# Altium PCB SSR IO INTERFACE.PcbDoc
Units mil, origin at the board's own origin, x right, y up, seen from the top; angles counter-clockwise.
Board outline 3421 x 1967 mil, 2 copper layers (Top Layer, Bottom Layer); 70 components, 84 nets, 236 pads, 33 vias.
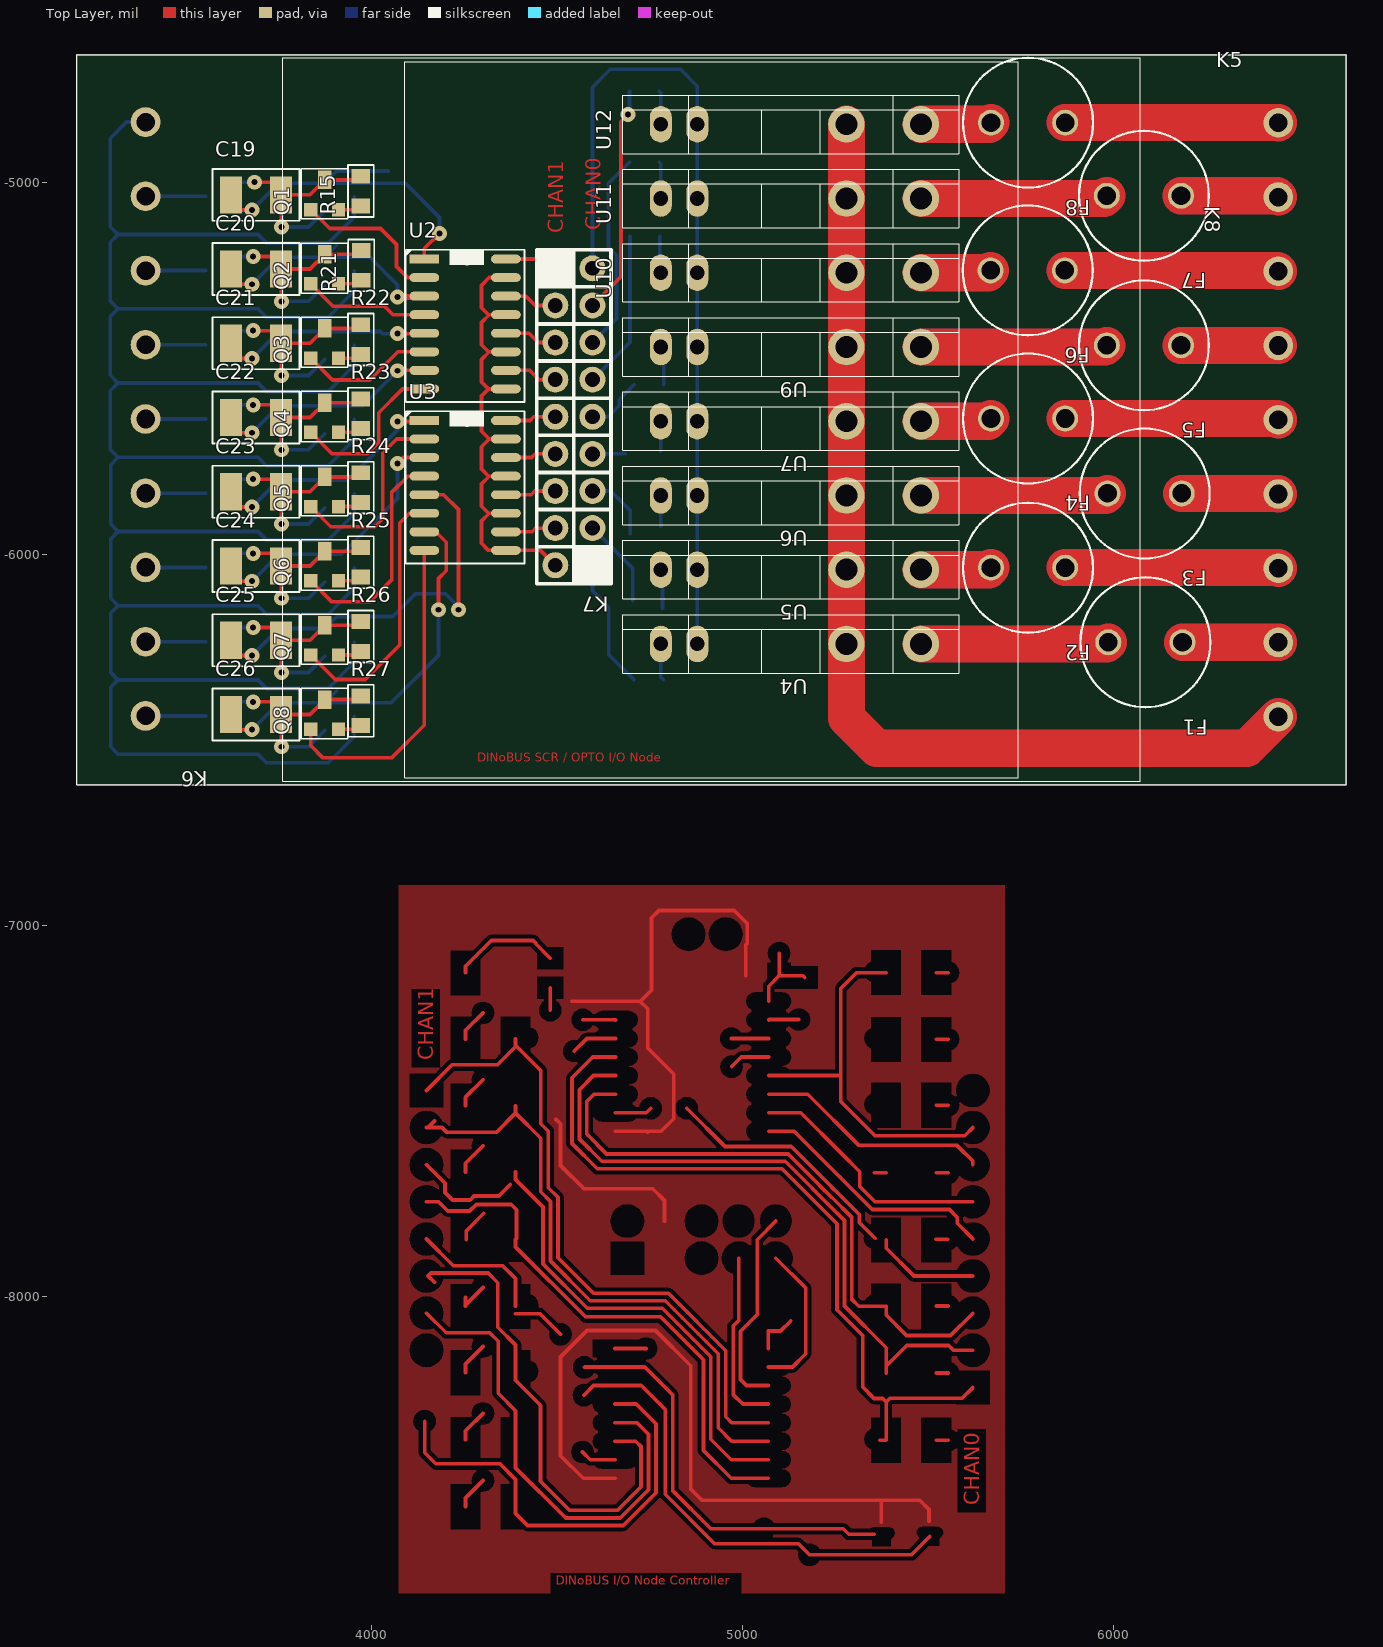
[diagram p0: Top Layer view]
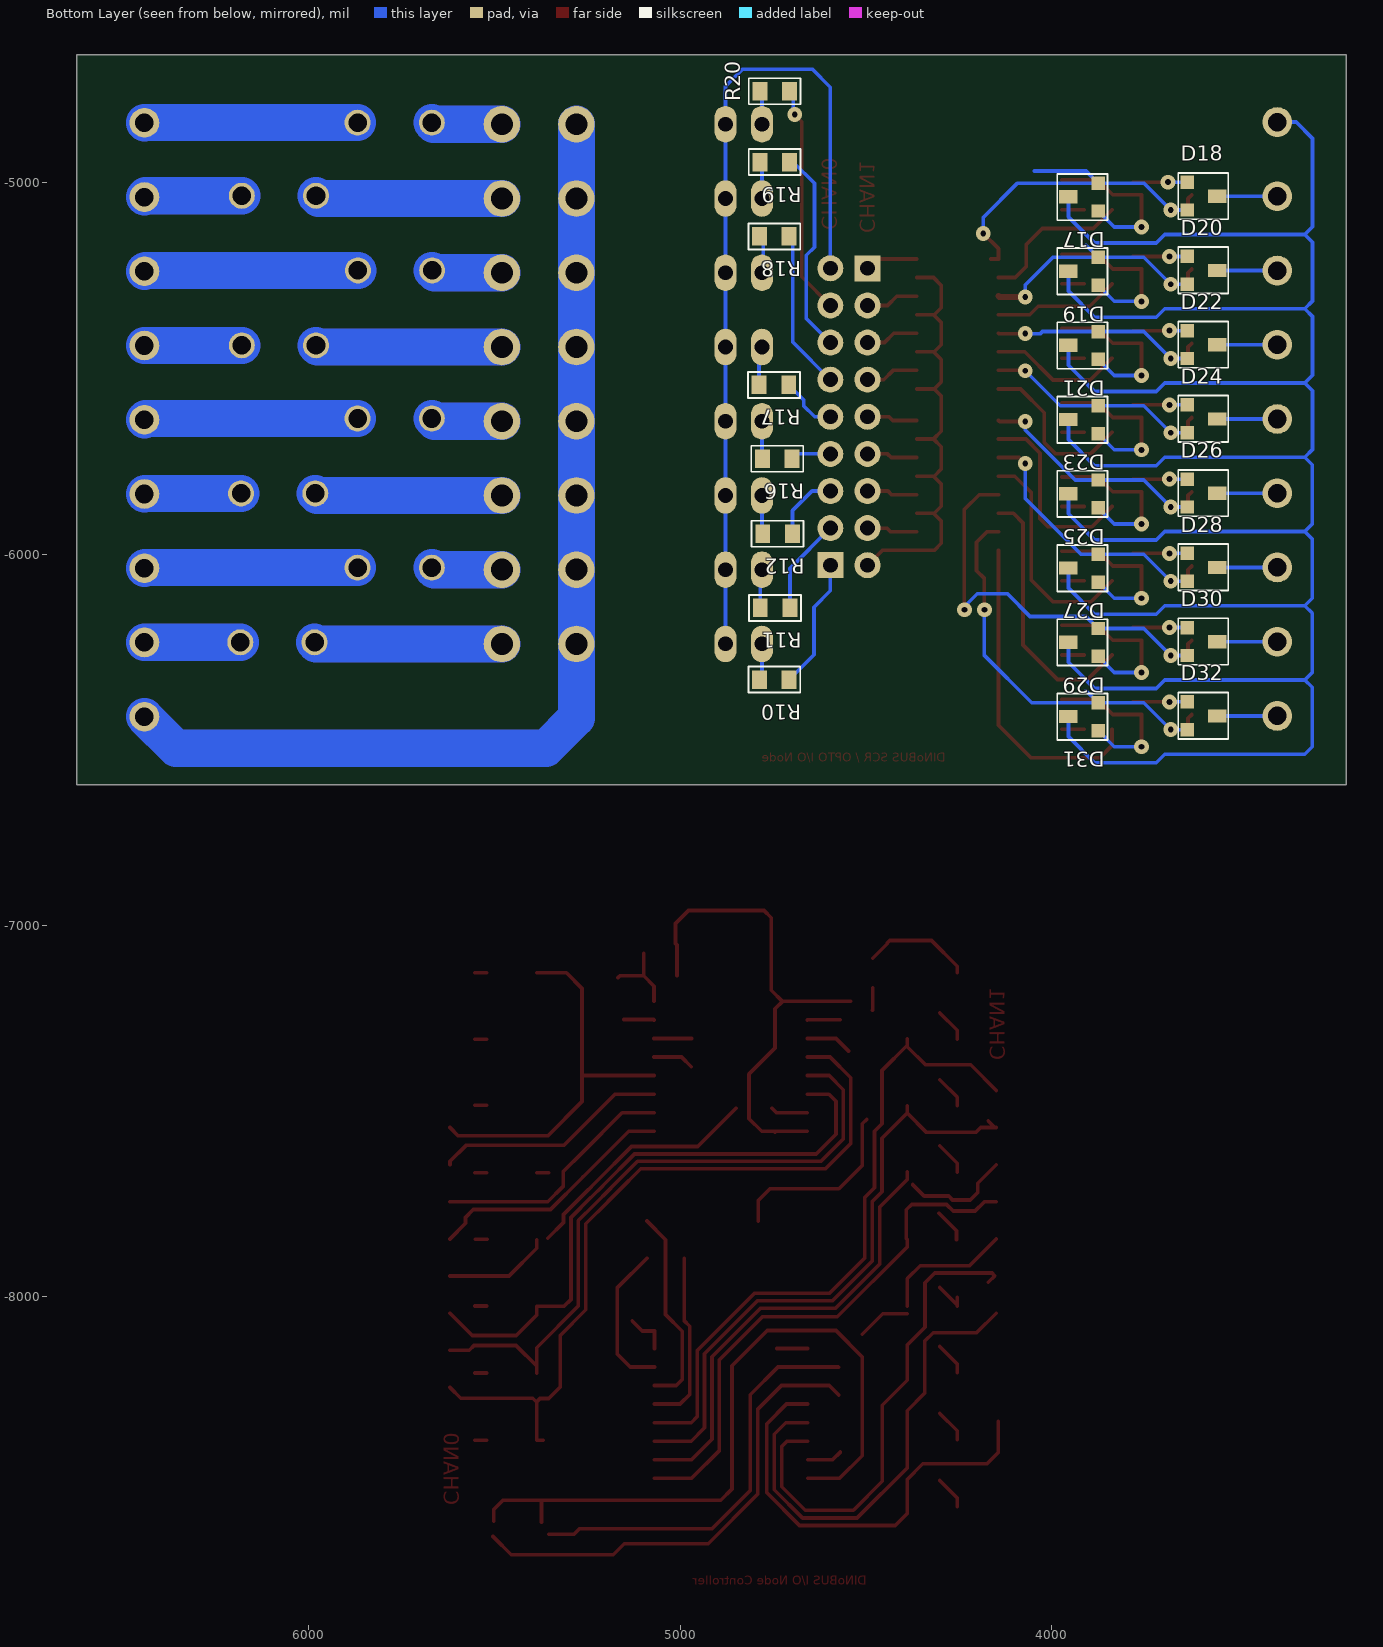
[diagram p1: Bottom Layer view, seen from below]
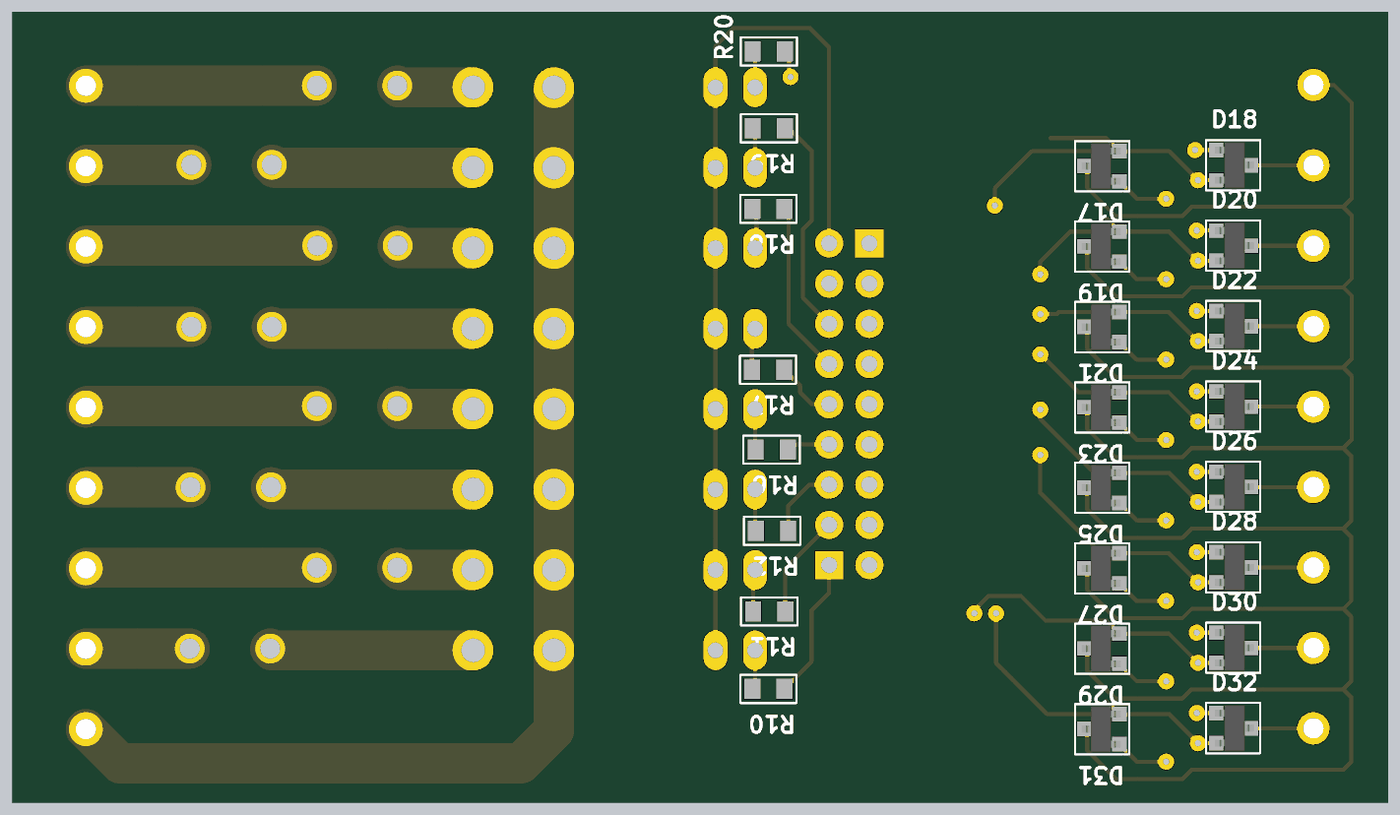
[diagram p2: 3D render of the assembled board from below, using the file's embedded part models]

## Layer stack, top to bottom
Top Layer: signal copper 1.4
Dielectric: core 12.6, FR-4, Dk 4.8
Bottom Layer: signal copper 1.4

## Board outline
3205,-6621 6626,-6621 6626,-4654 3205,-4654

## Design rules (kind name [scope] priority, off if disabled: settings)
AssemblyTestPointUsage [All] p1 off:
AssemblyTestpoint [All] p1 off: testpointundercomponent=TRUE minsize=40 maxsize=100 preferedsize=60 minholesize=0 maxholesize=40 preferedholesize=32 testpointgrid=1 usegrid=TRUE gridtolerance=0.01 allowsidetop=TRUE allowsidebottom=TRUE
Clearance [All] p1: gap=10
ComponentClearance [All] p1 off: gap=10 collisioncheckmode=3 verticalgap=10 showdistances=FALSE
DiffPairsRouting [All] p1 off: maxlimit=10 minlimit=10 mostfreqgap=10 maxuncoupledlength=500
FabricationTestPointUsage TestPointUsage [All] p1 off: valid=0 allowmultiple=FALSE
FabricationTestpoint Testpoint [All] p1 off: side=3 testpointundercomponent=TRUE minsize=40 maxsize=100 preferedsize=60 minholesize=0 maxholesize=40 preferedholesize=32 testpointgrid=1 allowsidetop=TRUE allowsidebottom=TRUE usegrid=TRUE gridtolerance=0.01
FanoutControl Fanout_BGA [IsBGA] p1 off: bgadir=Out bgaviamode=Centered fanoutstyle=Auto fanoutdirection=Alternating viagrid=1 // Fanout_BGA (Default Rule)
FanoutControl Fanout_LCC [IsLCC] p2 off: bgadir=Out bgaviamode=Centered fanoutstyle=Auto fanoutdirection=Alternating viagrid=1 // Fanout_LCC (Default Rule)
FanoutControl Fanout_SOIC [IsSOIC] p3 off: bgadir=Out bgaviamode=Centered fanoutstyle=Auto fanoutdirection=Alternating viagrid=1 // Fanout_SOIC (Default Rule)
FanoutControl Fanout_Small [(CompPinCount < 5)] p4 off: bgadir=Out bgaviamode=Centered fanoutstyle=Auto fanoutdirection=OutThenIn viagrid=1 // Fanout_Small (Default Rule)
FanoutControl Fanout_Default [All] p5 off: bgadir=Out bgaviamode=Centered fanoutstyle=Auto fanoutdirection=Alternating viagrid=1 // Fanout_Default (Default Rule)
Height [All] p1 off: minheight=0 maxheight=1000 prefheight=500
HoleSize [All] p1: absolutevalues=TRUE maxlimit=500 minlimit=1 maxpercent=80.000 minpercent=20.000
LayerPairs [All] p1 off: enforce=TRUE
MinimumAnnularRing "Minimum Annular Ring" [All] p1: minimumring=5 // This is manufacturing dependent. Sierra = 5. This can go to 4 if needed, but keep 5 if possible
MinimumSolderMaskSliver [All] p1 off: minsoldermaskwidth=10
PasteMaskExpansion [All] p1 off: expansion=0
PlaneClearance [All] p1: clearance=6
PlaneConnect "PlaneConnect GND" [InNet('GND')] p1: planeconnectstyle=Direct reliefexpansion=6 reliefentries=4 reliefconductorwidth=10 reliefairgap=6
PlaneConnect "PlaneConnect GENERIC" [All] p2: planeconnectstyle=Relief reliefexpansion=20 reliefentries=4 reliefconductorwidth=10 reliefairgap=10
PolygonConnect [All] p1: connectstyle=Direct reliefconductorwidth=15 reliefentries=4 polygonreliefangle="90 Angle"
RoutingPriority [All] p1 off: routingpriority=0
RoutingTopology [All] p1 off: topology=Shortest
RoutingVias "Routing Vias" [All] p1: holewidth=10 width=30 viastyle="Through Hole" minholewidth=16 minwidth=40 maxholewidth=80 maxwidth=100 // Generic routing via rules
ShortCircuit "Short Circuit Generic Rule" [All] p1: allowed=FALSE // Short circuit Rule : No shorts allowed
SilkToSilkClearance [All] p1 off: silktosilkclearance=10
SilkscreenOverComponentPads [All] p1 off: minsilkscreentomaskgap=10
SolderMaskExpansion "SolderMask Expansion Via's" [(IsVia)] p1: expansion=-40 // Via's should be painted closed. Set to -40
SolderMaskExpansion "Solder Mask Expansion Generic" [All] p2: expansion=2 // Generic solder mask expansion
UnRoutedNet "Un Routed Net" [All] p1:  // Broken Nets not allowed
Width "Generic Width Rules" [All] p1: maxlimit=100 minlimit=10 preferedwidth=10 minimp=50.000000 maximp=50.000000 favimp=50.000000 // Generic width rules applicable if no specific rule is in effect
4 further rules are at their usual default settings.

## Components (designator, comment, footprint, x,y, rotation, side; value= is the part's Value field where it differs from the comment)
C19 "10uF" 1210C-GENERIC 3621,-5032 r0 top
C20 "10uF" 1210C-GENERIC 3621,-5232 r0 top
C21 "10uF" 1210C-GENERIC 3621,-5432 r0 top
C22 "10uF" 1210C-GENERIC 3621,-5632 r0 top
C23 "10uF" 1210C-GENERIC 3621,-5832 r0 top
C24 "10uF" 1210C-GENERIC 3621,-6032 r0 top
C25 "10uF" 1210C-GENERIC 3621,-6232 r0 top
C26 "10uF" 1210C-GENERIC 3621,-6432 r0 top
D17 "BAT54S-SOT23" SOT23-123 3873.52,-5075.48 r0 bottom
D18 "BAT54S-SOT23" SOT23-123 3633,-4998 r180 bottom
D19 "BAT54S-SOT23" SOT23-123 3873.52,-5275.48 r0 bottom
D20 "BAT54S-SOT23" SOT23-123 3633,-5198 r180 bottom
D21 "BAT54S-SOT23" SOT23-123 3873.52,-5475.48 r0 bottom
D22 "BAT54S-SOT23" SOT23-123 3633,-5398 r180 bottom
D23 "BAT54S-SOT23" SOT23-123 3873.52,-5675.48 r0 bottom
D24 "BAT54S-SOT23" SOT23-123 3633,-5598 r180 bottom
D25 "BAT54S-SOT23" SOT23-123 3873.52,-5875.48 r0 bottom
D26 "BAT54S-SOT23" SOT23-123 3633,-5798 r180 bottom
D27 "BAT54S-SOT23" SOT23-123 3873.52,-6075.48 r0 bottom
D28 "BAT54S-SOT23" SOT23-123 3633,-5998 r180 bottom
D29 "BAT54S-SOT23" SOT23-123 3873.52,-6275.48 r0 bottom
D30 "BAT54S-SOT23" SOT23-123 3633,-6198 r180 bottom
D31 "BAT54S-SOT23" SOT23-123 3873.52,-6475.48 r0 bottom
D32 "BAT54S-SOT23" SOT23-123 3633,-6398 r180 bottom
F1 "FUSE-372SERIES" FUSE-372 6184.73,-6237.58 r180 top
F2 "FUSE-372SERIES" FUSE-372 5868.73,-6036.58 r180 top
F3 "FUSE-372SERIES" FUSE-372 6182.73,-5836.58 r180 top
F4 "FUSE-372SERIES" FUSE-372 5868.73,-5634.58 r180 top
F5 "FUSE-372SERIES" FUSE-372 6180.73,-5437.58 r180 top
F6 "FUSE-372SERIES" FUSE-372 5867.73,-5235.58 r180 top
F7 "FUSE-372SERIES" FUSE-372 6180.73,-5034.58 r180 top
F8 "FUSE-372SERIES" FUSE-372 5868.73,-4837.58 r180 top
K5 "PRKR-9-5.08MM" PRKR-9-5.08MM 6443,-6438 r90 top
K6 "PRKR-9-5.08MM" PRKR-9-5.08MM 3391,-4836 r270 top
K7 "HEADER-1X9" HEADER-1X9 4595,-6030 r180 top
K8 "HEADER-1X9" HEADER-1X9 4495,-5230 r0 top
Q1 "MMBF4391" SOT23-DSG 3836,-5072 r90 top
Q2 "MMBF4391" SOT23-DSG 3836,-5272 r90 top
Q3 "MMBF4391" SOT23-DSG 3836,-5472 r90 top
Q4 "MMBF4391" SOT23-DSG 3836,-5672 r90 top
Q5 "MMBF4391" SOT23-DSG 3836,-5872 r90 top
Q6 "MMBF4391" SOT23-DSG 3836,-6072 r90 top
Q7 "MMBF4391" SOT23-DSG 3836,-6272 r90 top
Q8 "MMBF4391" SOT23-DSG 3836,-6472 r90 top
R10 "330R" 0805R-330 4706,-6338 r0 bottom
R11 "330R" 0805R-330 4704,-6145 r0 bottom
R12 "330R" 0805R-330 4697,-5945 r0 bottom
R15 "330R" 0805R-330 3971,-5062 r90 top
R16 "330R" 0805R-330 4698,-5743 r0 bottom
R17 "330R" 0805R-330 4707,-5544 r0 bottom
R18 "330R" 0805R-330 4706,-5144 r0 bottom
R19 "330R" 0805R-330 4705,-4944 r0 bottom
R20 "330R" 0805R-330 4705,-4753 r0 bottom
R21 "330R" 0805R-330 3972,-5262 r90 top
R22 "330R" 0805R-330 3971,-5462 r90 top
R23 "330R" 0805R-330 3971,-5662 r90 top
R24 "330R" 0805R-330 3971,-5861 r90 top
R25 "330R" 0805R-330 3971,-6062 r90 top
R26 "330R" 0805R-330 3971,-6262 r90 top
R27 "330R" 0805R-330 3971,-6462 r90 top
U2 "ACPL227" SO16 4142,-5205 r0 top
U3 "ACPL227" SO16 4142,-5640 r0 top
U4 "S202T02" S202T02 5129.61,-6242 r180 top
U5 "S202T02" S202T02 5129.61,-6042 r180 top
U6 "S202T02" S202T02 5129.61,-5842 r180 top
U7 "S202T02" S202T02 5129.61,-5642 r180 top
U9 "S202T02" S202T02 5129.61,-5442 r180 top
U10 "S202T02" S202T02 5129.61,-5242 r180 top
U11 "S202T02" S202T02 5129.61,-5042 r180 top
U12 "S202T02" S202T02 5129.61,-4842 r180 top

## Footprints (in the part's own frame and the unit in brackets; to place one, negate y for a bottom-side part, rotate by r counter-clockwise, add the part's x,y. Pads: shape width x height; smd on the part's side, far side on the other; paste and mask are expansions set on the pad)
0805R-330 [mil] "RESISTOR 0805"
  rect 40x50 smd: 1(0,0) 2(80,0)
  silkscreen extent -30,-35 110,35, body extent -1,-25 80,25, height 27
1210C-GENERIC [mil]
  rect 60x100 smd: 1(0,0) 2(135,0)
  silkscreen extent -50,-70 185,70, body extent -10,-50 145,50, height 46
FUSE-372 [mil]
  round 70 hole 50 unplated mask+2: 1(0,0) 2(200,0)
  silkscreen extent -75,-175 275,175, body extent -66,-167 267,167, height 315
HEADER-1X9 [mil]
  rect 70x70 hole 40: 1(0,0)
  round 70 hole 40: 2(0,-100) 3(0,-200) 4(0,-300) 5(0,-400) 6(0,-500) 7(0,-600) 8(0,-700) 9(0,-800)
  silkscreen extent -50,-850 50,50, body extent -50,-850 50,50, height 470
PRKR-9-5.08MM [mil]
  round 80 hole 50 unplated mask+2: 1(0,0) 2(200,0) 3(400,0) 4(600,0) 5(800,0) 6(1000,0) 7(1200,0) 8(1400,0) 9(1600,0)
  body extent -100,-177 1720,177, height 598
S202T02 [mm]
  oval 1.5x2.5 hole 1 unplated mask+0.051: A(6.4,0) K(8.9,0)
  round 2.5 hole 1.5 unplated mask+0.051: AC1(-8.9,0) AC2(-3.8,0)
  silkscreen extent -11.5,-2 11.5,2, body extent -11.5,-2 11.5,2, height 20
SO16 [mil]
  rect 80x24 smd: 1(0,0)
  oval 80x24 smd: 2(0,-50) 3(0,-100) 4(0,-150) 5(0,-200) 6(0,-250) 7(0,-300) 8(0,-350) 9(220,-350) 10(220,-300) 11(220,-250) 12(220,-200) 13(220,-150) 14(220,-100) 15(220,-50) 16(220,0)
  silkscreen extent -50,-385 270,25, body extent -20,-385 240,25, height 61
SOT23-123 [mil]
  rect 36x36 smd: 1(0,0) 2(0,-75)
  rect 50x36 smd: 3(80,-38)
  silkscreen extent -25,-100 110,25, body extent -3,-95 94,20, height 41
SOT23-DSG [mil] "SOT23 DRAING SOURCE GATE ORDER"
  rect 36x36 smd: D(0,0) S(0,-75)
  rect 50x36 smd: G(80,-38)
  silkscreen extent -25,-100 110,25, body extent -3,-95 94,20, height 41

## Part data
C19 C20 C21 C22 C23 C24 C25 C26: library part 1210C-10UF-50V-TDK, "GENERIC CAPACITOR NON POLARISED 1210"
D17 D18 D19 D20 D21 D22 D23 D24 D25 D26 D27 D28 D29 D30 D31 D32: "DUAL SCHOTTKY DIODE SERIES"
F1 F2 F3 F4 F5 F6 F7 F8: "FUSE-372"
R10 R11 R12 R15 R16 R17 R18 R19 R20 R21 R22 R23 R24 R25 R26 R27: library part 0805R-330, "RESISTOR 0805 1/4 WATT THIN FILM"
U2 U3: "QUAD OPTOCOUPLER"

## Via types
v1: diameter 40, hole 16, Top Layer to Bottom Layer, 33 vias

## Nets (pads, with @x,y where several pads share a name; then routed paths per layer and width w, separated by ;. In a path a pad name is that pad's centre, name@x,y a point inside that pad or via, vN(x,y) a via of type N, cw(c..) or ccw(c..) an arc to the next point about the centre after c; other vN are vias at no path point)
NetC19_1: C19.1 D17.2 D18.2 U2.1 | length 1037.2
  Top Layer w10: C19.1 3631.25,-5042.25 3631.25,-5059.25 3645,-5073 v1(3678,-5073) ; U2.1@4163,-5205 U2.1 4142,-5177 v1(4183,-5136)
  Bottom Layer w10: D18.2 v1(3678,-5073) 3750.52,-5000.48 D17.2 ; 4045,-4968 3906,-4968 D17.2 ; v1(4183,-5136) 4183,-5093 4090.48,-5000.48 D17.2
NetC19_2: C19.2 D17.1 D18.1 Q1.G R15.2 | length 600.5
  Top Layer w10: v1@3680,-4998 C19.2@3780,-4998 ; v1(3757,-5119) 3757,-5033 C19.2 3834,-5032 Q1.G R15.2@3971,-4992
  Bottom Layer w10: D18.1 v1@3680,-4998 ; v1(3757,-5119) 3830,-5119 D17.1
  other v1: 3685,-4998
NetC20_1: C20.1 D19.2 D20.2 U2.3 | length 732.6
  Top Layer w10: C20.1 3631.25,-5242.25 3631.25,-5259.25 3645,-5273 v1(3678,-5273)
  Top Layer w16: v1(4070,-5307) 4140,-5307 U2.3
  Bottom Layer w10: D20.2 v1(3678,-5273) 3750.52,-5200.48 D19.2 ; 3906,-5168 D19.2 ; v1@4070,-5306 4070,-5275 3995.48,-5200.48 D19.2
  Bottom Layer w16: v1(4070,-5307) v1@4070,-5306
NetC20_2: C20.2 D19.1 D20.1 Q2.G R21.2 | length 599.1
  Top Layer w10: v1@3680,-5198 C20.2@3780,-5198 ; C20.2 3834,-5232 Q2.G R21.2@3971,-5192 ; v1(3757,-5319) C20.2@3757,-5233
  Bottom Layer w10: D20.1 v1@3680,-5198 ; v1(3757,-5319) 3830,-5319 D19.1
  other v1: 3681,-5198
NetC21_1: C21.1 D21.2 D22.2 U2.5 | length 625.7
  Top Layer w10: C21.1 3631.25,-5442.25 3631.25,-5459.25 3645,-5473 v1(3678,-5473) ; v1(4070,-5406) 4141,-5406 U2.5
  Bottom Layer w10: D22.2 v1(3678,-5473) 3750.52,-5400.48 D21.2 4023.48,-5400.48 4029,-5406 v1(4070,-5406)
NetC21_2: C21.2 D21.1 D22.1 Q3.G R22.2 | length 599.1
  Top Layer w10: v1@3680,-5398 C21.2@3780,-5398 ; C21.2 3834,-5432 Q3.G R22.2@3971,-5392 ; v1(3757,-5519) C21.2@3757,-5433
  Bottom Layer w10: D22.1 v1@3680,-5398 ; v1(3757,-5519) 3830,-5519 D21.1
  other v1: 3681,-5398
NetC22_1: C22.1 D23.2 D24.2 U2.7 | length 662.5
  Top Layer w10: C22.1 3631.25,-5642.25 3631.25,-5659.25 3645,-5673 v1(3678,-5673) ; v1(4070,-5506) 4071,-5505 U2.7
  Bottom Layer w10: D24.2 v1(3678,-5673) 3750.52,-5600.48 D23.2 3975.52,-5600.48 v1(4070,-5506)
NetC22_2: C22.2 D23.1 D24.1 Q4.G R23.2 | length 599.1
  Top Layer w10: v1@3680,-5598 C22.2@3780,-5598 ; C22.2 3834,-5632 Q4.G R23.2@3971,-5592 ; v1(3757,-5719) C22.2@3757,-5633
  Bottom Layer w10: D24.1 v1@3680,-5598 ; v1(3757,-5719) 3830,-5719 D23.1
  other v1: 3681,-5598
NetC23_1: C23.1 D25.2 D26.2 U3.1 | length 702.9
  Top Layer w10: C23.1 3631.25,-5842.25 3631.25,-5859.25 3645,-5873 v1(3678,-5873) ; v1(4070,-5643) 4139,-5643 U3.1
  Bottom Layer w10: D26.2 v1(3678,-5873) 3750.52,-5800.48 3935.52,-5800.48 4070,-5666 v1(4070,-5643)
NetC23_2: C23.2 D25.1 D26.1 Q5.G R24.2 | length 599.1
  Top Layer w10: v1@3680,-5798 C23.2@3780,-5798 ; C23.2 3834,-5832 Q5.G R24.2@3971,-5792 ; v1(3757,-5919) C23.2@3757,-5833
  Bottom Layer w10: D26.1 v1@3680,-5798 ; v1(3757,-5919) 3830,-5919 D25.1
  other v1: 3681,-5798
NetC24_1: C24.1 D27.2 D28.2 U3.3 | length 785.9
  Top Layer w10: C24.1 3631.25,-6042.25 3631.25,-6059.25 3645,-6073 v1(3678,-6073) ; v1(4070,-5756) 4086,-5740 U3.3
  Bottom Layer w10: D28.2 v1(3678,-6073) 3750.52,-6000.48 D27.2 3919.52,-6000.48 4070,-5850 v1(4070,-5756)
NetC24_2: C24.2 D27.1 D28.1 Q6.G R25.2 | length 599.1
  Top Layer w10: v1@3680,-5998 C24.2@3780,-5998 ; C24.2 3834,-6032 Q6.G R25.2@3971,-5992 ; v1(3757,-6119) C24.2@3757,-6033
  Bottom Layer w10: D28.1 v1@3680,-5998 ; v1(3757,-6119) 3830,-6119 D27.1
  other v1: 3681,-5998
NetC25_1: C25.1 D29.2 D30.2 U3.5 | length 1154.8
  Top Layer w10: C25.1 3631.25,-6242.25 3631.25,-6259.25 3645,-6273 v1(3678,-6273) ; U3.5 4194,-5840 4234,-5880 v1(4234,-6150)
  Bottom Layer w10: D30.2 v1(3678,-6273) 3750.52,-6200.48 D29.2 3906,-6168 4057,-6168 4118,-6107 4199,-6107 4234,-6142 v1(4234,-6150)
NetC25_2: C25.2 D29.1 D30.1 Q7.G R26.2 | length 599.1
  Top Layer w10: v1@3680,-6198 C25.2@3780,-6198 ; C25.2 3834,-6232 Q7.G R26.2@3971,-6192 ; v1(3757,-6319) C25.2@3757,-6233
  Bottom Layer w10: D30.1 v1@3680,-6198 ; v1(3757,-6319) 3830,-6319 D29.1
  other v1: 3681,-6198
NetC26_1: C26.1 D31.2 D32.2 U3.7 | length 1144
  Top Layer w10: C26.1 3631.25,-6442.25 3631.25,-6459.25 3645,-6473 v1(3678,-6473) ; U3.7 4173,-5940 4201,-5968 4201,-6045 4180,-6066 v1(4180,-6150)
  Bottom Layer w10: D32.2 v1(3678,-6473) 3750.52,-6400.48 D31.2 ; 3906,-6368 D31.2 ; v1(4180,-6150) 4180,-6273 4052.52,-6400.48 D31.2
NetC26_2: C26.2 D31.1 D32.1 Q8.G R27.2 | length 599.1
  Top Layer w10: v1@3680,-6398 C26.2@3780,-6398 ; C26.2 3834,-6432 Q8.G R27.2@3971,-6392 ; v1(3757,-6519) C26.2@3757,-6433
  Bottom Layer w10: D32.1 v1@3680,-6398 ; v1(3757,-6519) 3830,-6519 D31.1
  other v1: 3681,-6398
NetD17_3: D17.3 D19.3 D21.3 D23.3 D25.3 D27.3 D29.3 D31.3 K6.1 | length 7733.4
  Bottom Layer w10: K6.1 3340,-4836 3296,-4880 3296,-5118 3317,-5139 ; D31.3 3953.52,-6491.48 3883,-6562 3717,-6562 3694,-6539 3317,-6539 3297,-6519 3297,-6359 3317,-6339 ; D29.3 3953.52,-6291.48 3883,-6362 3717,-6362 3694,-6339 3317,-6339 ; D27.3 3953.52,-6091.48 3883,-6162 3717,-6162 3694,-6139 3317,-6139 ; D25.3 3953.52,-5891.48 3883,-5962 3717,-5962 3694,-5939 3317,-5939 ; D23.3 3953.52,-5691.48 3883,-5762 3717,-5762 3694,-5739 3317,-5739 ; D21.3 3953.52,-5491.48 3883,-5562 3717,-5562 3694,-5539 3317,-5539 ; D19.3 3953.52,-5291.48 3883,-5362 3717,-5362 3694,-5339 3317,-5339 ; D17.3 3953.52,-5091.48 3883,-5162 3717,-5162 3694,-5139 3317,-5139 ; 3317,-6339 3297,-6319 3297,-6159 3317,-6139 ; 3317,-6139 3297,-6119 3297,-5959 3317,-5939 ; 3317,-5939 3297,-5919 3297,-5759 3317,-5739 ; 3317,-5739 3296,-5718 3296,-5560 3317,-5539 ; 3317,-5539 3296,-5518 3296,-5360 3317,-5339 ; 3317,-5339 3296,-5318 3296,-5160 3317,-5139
NetD18_3: D18.3 K6.2 | length 169
  Bottom Layer w10: K6.2 D18.3 D18.3@3546,-5036
NetD20_3: D20.3 K6.3 | length 162
  Bottom Layer w10: K6.3 D20.3
NetD22_3: D22.3 K6.4 | length 162
  Bottom Layer w10: K6.4 D22.3
NetD24_3: D24.3 K6.5 | length 162
  Bottom Layer w10: K6.5 D24.3
NetD26_3: D26.3 K6.6 | length 162
  Bottom Layer w10: K6.6 D26.3
NetD28_3: D28.3 K6.7 | length 162
  Bottom Layer w10: K6.7 D28.3
NetD30_3: D30.3 K6.8 | length 162
  Bottom Layer w10: K6.8 D30.3
NetD32_3: D32.3 K6.9 | length 162
  Bottom Layer w10: K6.9 D32.3
NetF1_1: F1.1 K5.2 | length 516.9
  Top Layer w100: F1.1 6442.58,-6237.58 K5.2
  Bottom Layer w100: F1.1 6442.58,-6237.58 K5.2
NetF1_2: F1.2 U4.AC1 | length 1013.1
  Top Layer w100: U4.AC1 5980.31,-6242 F1.2
  Bottom Layer w100: U4.AC1 5980.31,-6242 F1.2
NetF2_1: F2.1 K5.3 | length 1149.7
  Top Layer w100: F2.1 6441.58,-6036.58 K5.3
  Bottom Layer w100: F2.1 6441.58,-6036.58 K5.3
NetF2_2: F2.2 U5.AC1 | length 381.9
  Top Layer w100: U5.AC1 5663.31,-6042 F2.2
  Bottom Layer w100: U5.AC1 5663.31,-6042 F2.2
NetF3_1: F3.1 K5.4 | length 521.7
  Top Layer w100: F3.1 6441.58,-5836.58 K5.4
  Bottom Layer w100: F3.1 6441.58,-5836.58 K5.4
NetF3_2: F3.2 U6.AC1 | length 1009.9
  Top Layer w100: U6.AC1 5977.31,-5842 F3.2
  Bottom Layer w100: U6.AC1 5977.31,-5842 F3.2
NetF4_1: F4.1 K5.5 | length 1151.4
  Top Layer w100: F4.1 6439.58,-5634.58 K5.5
  Bottom Layer w100: F4.1 6439.58,-5634.58 K5.5
NetF4_2: F4.2 U7.AC1 | length 383.6
  Top Layer w100: U7.AC1 5661.31,-5642 F4.2
  Bottom Layer w100: U7.AC1 5661.31,-5642 F4.2
NetF5_1: F5.1 K5.6 | length 524.9
  Top Layer w100: F5.1 6442.58,-5437.58 K5.6
  Bottom Layer w100: F5.1 6442.58,-5437.58 K5.6
NetF5_2: F5.2 U9.AC1 | length 1005.1
  Top Layer w100: U9.AC1 5976.31,-5442 F5.2
  Bottom Layer w100: U9.AC1 5976.31,-5442 F5.2
NetF6_1: F6.1 K5.7 | length 1152.5
  Top Layer w100: F6.1 6440.58,-5235.58 K5.7
  Bottom Layer w100: F6.1 6440.58,-5235.58 K5.7
NetF6_2: F6.2 U10.AC1 | length 380.8
  Top Layer w100: U10.AC1 5661.31,-5242 F6.2
  Bottom Layer w100: U10.AC1 5661.31,-5242 F6.2
NetF7_1: F7.1 K5.8 | length 527.4
  Top Layer w100: F7.1 6439.58,-5034.58 K5.8
  Bottom Layer w100: F7.1 6439.58,-5034.58 K5.8
NetF7_2: F7.2 U11.AC1 | length 1007.6
  Top Layer w100: U11.AC1 5973.31,-5042 F7.2
  Bottom Layer w100: U11.AC1 5973.31,-5042 F7.2
NetF8_1: F8.1 K5.9 | length 1148.9
  Top Layer w100: F8.1 6442.58,-4837.58 K5.9
  Bottom Layer w100: F8.1 6442.58,-4837.58 K5.9
NetF8_2: F8.2 U12.AC1 | length 381.1
  Top Layer w100: U12.AC1 5664.31,-4842 F8.2
  Bottom Layer w100: U12.AC1 5664.31,-4842 F8.2
NetK5_1: K5.1 U4.AC2 U5.AC2 U6.AC2 U7.AC2 U9.AC2 U10.AC2 U11.AC2 U12.AC2 | length 5664.2
  Top Layer w100: U12.AC2 U11.AC2 U10.AC2 U9.AC2 U7.AC2 U6.AC2 5279.21,-6441.21 5361,-6523 6358,-6523 K5.1
  Bottom Layer w100: U12.AC2 U11.AC2 U10.AC2 U9.AC2 U7.AC2 U6.AC2 5279.21,-6441.21 5361,-6523 6358,-6523 K5.1
NetK7_1: K7.1 R10.1 | length 354
  Bottom Layer w10: K7.1 4595,-6099 4639,-6143 4639,-6271 R10.1
NetK7_2: K7.2 R11.1 | length 240.3
  Bottom Layer w10: K7.2 4704,-6039 R11.1@4704,-6125.14
NetK7_3: K7.3 R12.1 | length 186
  Bottom Layer w10: K7.3 4644.12,-5830 4697,-5882.88 R12.1
NetK7_4: K7.4 R16.1 | length 87.8
  Bottom Layer w10: K7.4 R16.1@4682.8,-5730
NetK7_5: K7.5 R17.1 | length 157
  Bottom Layer w10: K7.5 4637,-5630 4667,-5600 4667,-5584 R17.1
NetK7_6: K7.6 R18.1 | length 427.8
  Bottom Layer w10: K7.6 4696,-5429 R18.1@4696,-5144
NetK7_7: K7.7 R19.1 | length 545.6
  Bottom Layer w10: K7.7 4660,-5365 4660,-5195 4638,-5173 4638,-5001 R19.1@4695,-4944
NetK7_8: K7.8 R20.1 | length 618.4
  Top Layer w10: K7.8 4672,-5253 4672,-4835 v1(4691,-4816)
  Bottom Layer w10: v1(4691,-4816) 4695,-4812 R20.1@4695,-4753
NetK7_9: K7.9 U4.A U5.A U6.A U7.A U9.A U10.A U11.A U12.A | length 2311.8
  Bottom Layer w10: K7.9 4595,-4742 4643,-4694 4832,-4694 4877.64,-4739.64 U12.A U11.A U10.A U9.A U7.A U6.A U5.A U4.A
NetK8_1: K8.1 U2.16 | length 143.4
  Top Layer w10: U2.16 4470,-5205 K8.1
NetK8_2: K8.2 U2.14 | length 143.4
  Top Layer w10: U2.14 4416,-5305 4441,-5330 K8.2
NetK8_3: K8.3 U2.12 | length 143.4
  Top Layer w10: U2.12 4424,-5405 4449,-5430 K8.3
NetK8_4: K8.4 U2.10 | length 143.4
  Top Layer w10: U2.10 4426,-5505 4451,-5530 K8.4
NetK8_5: K8.5 U3.16 | length 137.1
  Top Layer w10: U3.16 4427,-5640 4437,-5630 K8.5
NetK8_6: K8.6 U3.14 | length 137.1
  Top Layer w10: U3.14 4431,-5740 4441,-5730 K8.6
NetK8_7: K8.7 U3.12 | length 137.1
  Top Layer w10: U3.12 4430,-5840 4440,-5830 K8.7
NetK8_8: K8.8 U3.10 | length 137.1
  Top Layer w10: U3.10 4433,-5940 4443,-5930 K8.8
NetK8_9: K8.9 U2.9 U2.11 U2.13 U2.15 U3.9 U3.11 U3.13 U3.15 | length 1364.6
  Top Layer w10: 4315,-5890 4296,-5871 4296,-5811 4317,-5790 U3.13 ; 4315,-5790 4296,-5771 4296,-5711 4317,-5690 ; 4315,-5455 4296,-5436 4296,-5376 4317,-5355 U2.13 ; 4315,-5355 4296,-5336 4296,-5276 4317,-5255 U2.15 ; U3.11 4317,-5890 4296,-5911 4296,-5971 4315,-5990 U3.9 4455,-5990 K8.9 ; U3.15 4317,-5690 ; U2.9 4315,-5555 ; U2.11 4317,-5455 4296,-5476 4296,-5536 4315,-5555 ; 4315,-5555 4296,-5574 4296,-5669 4317,-5690
NetQ1_D: Q1.D U2.2 | length 416.4
  Top Layer w10: Q1.D 3887,-5123 4024,-5123 4067,-5166 4067,-5225 4097,-5255 U2.2
NetQ1_S: Q1.S R15.1 | length 60
  Top Layer w10: Q1.S R15.1@3971,-5072
NetQ2_D: Q2.D U2.4 | length 340.4
  Top Layer w10: Q2.D 3896,-5332 4035,-5332 4058,-5355 U2.4
NetQ2_S: Q2.S R21.1 | length 60
  Top Layer w10: Q2.S R21.1@3971,-5272
NetQ3_D: Q3.D U2.6 | length 361.9
  Top Layer w10: Q3.D 3895,-5531 3995,-5531 4071,-5455 U2.6
NetQ3_S: Q3.S R22.1 | length 60
  Top Layer w10: Q3.S R22.1@3971,-5472
NetQ4_D: Q4.D U2.8 | length 449.4
  Top Layer w10: Q4.D 3894,-5730 3988,-5730 4019,-5699 4019,-5619 4083,-5555 U2.8
NetQ4_S: Q4.S R23.1 | length 60
  Top Layer w10: Q4.S R23.1@3971,-5672
NetQ5_D: Q5.D U3.2 | length 529.8
  Top Layer w10: Q5.D 3890,-5926 4009,-5926 4030,-5905 4030,-5728 4068,-5690 U3.2
NetQ5_S: Q5.S R24.1 | length 60
  Top Layer w10: Q5.S R24.1@3971,-5872
NetQ6_D: Q6.D U3.4 | length 607.4
  Top Layer w10: Q6.D 3892,-6128 3996,-6128 4054,-6070 4054,-5834 4098,-5790 U3.4
NetQ6_S: Q6.S R25.1 | length 60
  Top Layer w10: Q6.S R25.1@3971,-6072
NetQ7_D: Q7.D U3.6 | length 711.7
  Top Layer w10: Q7.D 3902,-6338 3983,-6338 4076,-6245 4076,-5915.88 4101.88,-5890 U3.6
NetQ7_S: Q7.S R26.1 | length 60
  Top Layer w10: Q7.S R26.1@3971,-6272
NetQ8_D: Q8.D U3.8 | length 871.1
  Top Layer w10: Q8.D 3836,-6516 3869,-6549 4054,-6549 4142,-6461 U3.8
NetQ8_S: Q8.S R27.1 | length 60
  Top Layer w10: Q8.S R27.1@3971,-6472
NetR10_2: R10.2 U4.K | length 98.8
  Bottom Layer w10: U4.K 4779.21,-6331.21 R10.2
NetR11_2: R11.2 U5.K | length 108.1
  Bottom Layer w10: U5.K@4777,-6039.79 U5.K 4784,-6046.79 R11.2
NetR12_2: R12.2 U6.K | length 83.1
  Bottom Layer w10: R12.2@4779.21,-5925.12 U6.K
NetR16_2: R16.2 U7.K | length 81
  Bottom Layer w10: R16.2@4779.21,-5723.04 U7.K
NetR17_2: R17.2 U9.K | length 105.2
  Bottom Layer w10: U9.K 4787,-5449.79 R17.2
NetR18_2: R18.2 U10.K | length 99.3
  Bottom Layer w10: R18.2@4776,-5144 4776,-5238.79 U10.K
NetR19_2: R19.2 U11.K | length 99.7
  Bottom Layer w10: R19.2@4775,-4944 4779.21,-4948.21 U11.K
NetR20_2: R20.2 U12.K | length 90.7
  Bottom Layer w10: R20.2@4775,-4753 4779.21,-4757.21 U12.K
copper on no net: | length 30266.9
  Top Layer w10: 4143,-8336 4143,-8421 4173,-8451 4346,-8451 4388,-8493 4388,-8566.58 4388,-8585 4420,-8617 4678.02,-8617 4766,-8529.02 4766,-8343 4713,-8290 4656,-8290 ; 4148,-8045 4201,-8098 4318,-8098 4341,-8121 4341,-8261 4388,-8308 4388,-8385.58 4388,-8462 4523,-8597 4669.74,-8597 4746,-8520.74 4746,-8371 4715,-8340 4656,-8340 ; 4148,-7845 4220,-7917 4353,-7917 4388,-7952 4388,-8026.58 ; 4148,-7745 4180,-7745 4205,-7770 4264,-7770 4282,-7752 4376,-7752 4390.4,-7766.4 4390.4,-7844.18 4388,-7846.58 4388,-7866.85 4576.15,-8055 4778.15,-8055 4894,-8170.85 4894,-8415 4969,-8490 5069,-8490 ; 4148,-7645 4198,-7695 4198,-7720 4218,-7740 4265.72,-7740 4276.13,-7729.58 4342.42,-7729.58 4373.37,-7698.63 ; 4148,-7545 4190,-7545 4203,-7558 4336,-7558 4388,-7506 ; 4148,-7445 4217,-7376 4339,-7376 4388,-7327 4388,-7323 ; 4152,-7544.58 4169.58,-7527 ; 4169.41,-7962 4152,-7944.58 4159.58,-7937 4314,-7937 4340,-7963 4340,-8083 4388,-8131 4388,-8205.58 4388,-8226 4455,-8293 4455,-8498 4533,-8576 4662.45,-8576 4726,-8512.45 4726,-8404 4712,-8390 4656,-8390 ; 4253,-8566.58 4253,-8543 4300,-8496 ; 4253,-8385.58 4253,-8362 4300,-8315 ; 4253,-8205.58 4253,-8182 4300,-8135 ; 4253,-8003 4253,-8023 ; 4253,-7664.58 4253,-7641 4300,-7594 ; 4253,-7486.58 4253,-7463 4300,-7416 ; 4253,-7306.58 4253,-7283 4300,-7236 ; 4253,-7128 4253,-7110.4 4322.4,-7041 4435,-7041 4442,-7048 4442,-7049.6 4481,-7088.6 ; 4255.4,-7846.58 4255.4,-7823 4302.4,-7776 ; 4300,-7976 4253,-8023 ; 4388,-8046.58 4453.58,-8046.58 4509,-8102 ; 4388,-7664.58 4388,-7685 4462,-7759 4462,-7912.57 4581.02,-8031.59 4783.02,-8031.59 4914,-8162.57 4914,-8385 4969,-8440 5069,-8440 ; 4388,-7486.58 4388,-7506 ; 4388,-7306.58 4388,-7323 ; 4481,-7168.6 4481,-7228.67 4481.33,-7229 ; 4497,-7523 4509,-7535 4509,-7647 4572,-7710 4757.62,-7710 4789,-7741.38 4789,-7797 ; 4540,-7205 4657,-7205 4724.06,-7205 ; 4546,-7339 4580,-7305 4657,-7305 ; 4568,-8419 4589,-8440 4656,-8440 ; 4569,-7254.5 4656.5,-7254.5 4657,-7255 ; 4572,-8266 4598,-8240 4656,-8240 4726.62,-8240 4791,-8304.38 4791,-8533 4924,-8666 5150,-8666 5180,-8696 5454.58,-8696 5501.18,-8649.4 5504,-8646.58 ; 4573,-8191 4574,-8190 4656,-8190 4736,-8190 4811,-8265 4811,-8523 4914,-8626 5057,-8626 5271,-8626 5285.83,-8640.83 5353.57,-8640.83 ; 4656,-8490 4570,-8490 4509,-8429 4509,-8163 4580,-8092 4765,-8092 4860,-8187 4860,-8518.9 4890.1,-8549 5372,-8549 ; 4656,-8140 4739.5,-8140 ; 4657,-7555 4742,-7555 ; 4657,-7505 4740,-7505 4752,-7493 ; 4657,-7455 4599,-7455 4580,-7474 4580,-7563 4633,-7616 5122.57,-7616 5207,-7700.43 5207,-7700.78 5239.22,-7733 5239.57,-7733 5294,-7787.43 5294,-8008 5312.42,-8026.42 5386.3,-8026.42 5386.3,-8050.08 5441.22,-8105 5560,-8105 5620,-8045 ; 4657,-7405 4598,-7405 4560,-7443 4560,-7576 4620,-7636 5114.28,-7636 5187,-7708.72 5187,-7709.07 5230.93,-7753 5231.28,-7753 5274,-7795.72 5274,-8026 5386.3,-8138.3 5386.3,-8206.42 ; 4657,-7355 4596,-7355 4540,-7411 4540,-7588 4608,-7656 5106,-7656 5167,-7717 5167,-7717.35 5222.65,-7773 5223,-7773 5254,-7804 5254,-8036.13 5323,-8105.13 5323,-8244.33 5353.67,-8275 5377,-8275 5386.3,-8284.3 ; 4744,-7557 4742,-7555 ; 4849,-7493 4952,-7596 5130.85,-7596 5227,-7692.15 5227,-7692.5 5247.5,-7713 5247.85,-7713 5314,-7779.15 5314,-7800.62 5356.64,-7843.26 ; 4969,-7305 5070,-7305 ; 4970,-7381 4996,-7355 5070,-7355 ; 4989,-7897 4989,-8065 4974,-8080 4974,-8264 5000,-8290 5069,-8290 ; 5008,-7136 5008,-7053 5012,-7049 5012,-6995 4977,-6960 4774,-6960 4754,-6980 4754,-7024 4754,-7175.06 4724.06,-7205 ; 5069,-8390 4970,-8390 4934,-8354 4934,-8154.28 4791.31,-8011.59 4589.31,-8011.59 4482,-7904.28 4482,-7744 4456,-7718 4456,-7574 4388,-7506 ; 5069,-8340 4970,-8340 4954,-8324 4954,-8146 4799.59,-7991.59 4597.59,-7991.59 4502,-7896 4502,-7733 4476,-7707 4476,-7555 4456,-7535 4456,-7391 4388,-7323 ; 5069,-8240 5010,-8240 4994,-8224 4994,-8093.75 5039,-8048.75 5039,-7847 5089,-7797 ; 5069,-8190 5134,-8190 5169.5,-8154.5 5169.5,-7977.5 5089,-7897 ; 5069,-8140 5069,-8093 5101.81,-8093 5129,-8065.81 ; 5070,-7555 5138,-7555 5262,-7679 ; 5070,-7505 5156,-7505 5263,-7612 5315,-7664 5315,-7703.72 5356.28,-7745 5620,-7745 ; 5070,-7455 5175,-7455 5313,-7593 5577,-7593 5620,-7636 5620,-7645 ; 5070,-7405 5264,-7405 ; 5070,-7255 5071,-7254 5151,-7254 ; 5070,-7205 5070,-7164 5098,-7136 ; 5098,-7075 5098,-7136 ; 5167,-7141 5162,-7136 5098,-7136 ; 5262,-7678 5262,-7679 ; 5354.02,-7666.83 5386.3,-7666.83 ; 5369,-8387.42 5386.3,-8387.42 5386.3,-8284.3 ; 5373,-8608.58 5373,-8607.02 5373,-8550 5372,-8549 ; 5386.3,-8187.7 5442,-8132 5555,-8132 5568,-8145 5620,-8145 ; 5386.3,-7847.42 5386.3,-7870.3 5461,-7945 5620,-7945 ; 5386.3,-7127.83 5306.17,-7127.83 5264,-7170 5264,-7405 ; 5502,-8605.02 5502,-8574 5477,-8549 5372,-8549 ; 5519.94,-7846.09 5551.64,-7846.09 ; 5521.25,-8025.92 5552.94,-8025.92 ; 5521.3,-8387.42 5553,-8387.42 ; 5521.3,-8206.42 5553,-8206.42 ; 5521.3,-7666.83 5553,-7666.83 ; 5521.3,-7484.83 5553,-7484.83 ; 5521.3,-7307.42 5553,-7307.42 ; 5521.3,-7127.83 5553,-7127.83 ; 5620,-8245 5591,-8274 5396.61,-8274 5386.3,-8284.3 ; 5620,-7845 5578,-7803 5578,-7787 5557,-7766 5349,-7766 5262,-7679 ; 5620,-7545 5598,-7567 5356,-7567 5264,-7475 5264,-7405 ; 4253,-8023 4253,-8026.58 4253,-8023 ; 4724.06,-7205 4744,-7224.94 4744,-7331 4814,-7401 4814,-7521 4780,-7555 4742,-7555

## Polygon pours and split planes (outlines as drawn)
no net on Top Layer "TOP GND GND" (solid, remove dead copper, pour order 2): 4048.91,-8824.91 5732.91,-8824.91 5732.91,-8786.91 5732.91,-6866.91 5473.91,-6866.91 4030.91,-6866.91 4030.91,-7064.91 4030.91,-8816.91

## Other copper
Top Layer:
  text "CHAN0" at 4618,-5127.5 h40 r90
  text "CHAN1" at 4516,-5135.5 h40 r90
  text "DINoBUS SCR / OPTO I/O Node" at 4284,-6568 h40
  text "CHAN1" at 4166,-7364 h40 r90
  text "CHAN0" at 5637,-8563 h40 r90
  text "DINoBUS I/O Node Controller" at 4496.31,-8785 h40

## Silkscreen, mask and mechanical layers (free items; w line width, h text height)
Top Overlay:
  lines w1: 3205,-6621 6626,-6621 6626,-4654 3205,-4654 3205,-6621 ; 3760,-6612 6071,-6612 6071,-4663 3760,-4663 3760,-6612 ; 4089,-6602 4089,-4673 5742,-4673 5742,-6602 4089,-6602
Mechanical 1:
  lines w1: 3829,-6036.58 6402.73,-6036.58 ; 3970,-6437.58 6403.73,-6437.58 ; 3970,-6237.58 6403.73,-6237.58 ; 3981,-5235.58 6401.73,-5235.58 ; 3989,-5836.58 6402.73,-5836.58 ; 4039,-5637.58 6403.73,-5637.58 ; 4039,-4837.58 6403.73,-4837.58 ; 4041,-5037.58 6403.73,-5037.58 ; 4074,-5437.58 6403.73,-5437.58
Mechanical 2:
  lines w1: 4063,-8669 4063,-8666 4208,-8666 ; 4063,-8646.58 5716,-8646.58 ; 4063,-8446.58 5716,-8446.58 ; 4063,-8245.58 5716,-8245.58 ; 4063,-8045.58 5716,-8045.58 ; 4063,-7846.58 5716,-7846.58 ; 4063,-7646.58 5716,-7646.58 ; 4063,-7444.58 5716,-7444.58 ; 4063,-7246.58 5716,-7246.58 ; 4063,-7046.58 5716,-7046.58 ; 4063,-7027 4208,-7027 ; 4063,-6921 4063,-6882 ; 4092,-8666 4063,-8695 4063,-8724 ; 4092,-7027 4063,-6998 4063,-6969 ; 4102,-8811 4063,-8811 ; 4121,-8666 4063,-8724 ; 4121,-7027 4063,-6969 ; 4150,-8666 4063,-8753 ; 4150,-7027 4063,-6940 ; 4151,-8811 4151,-8723 ; 4151,-8671 4151,-6970 ; 4151,-8518 4206.11,-8518 ; 4158,-6970 5628,-6970 ; 4179,-8666 4063,-8782 ; 4179,-7027 4063,-6911 ; 4205,-6882 4208,-6882 4208,-7027 ; 4208,-8811 4208,-8666 ; 4208,-8782 4179,-8811 4150,-8811 ; 4208,-8753 4150,-8811 ; 4208,-8724 4121,-8811 ; 4208,-8695 4092,-8811 ; 4208,-6998 4092,-6882 ; 4208,-6969 4121,-6882 ; 4208,-6940 4150,-6882 ; 4208,-6911 4179,-6882 4150,-6882 ; 4889.5,-8811 4889.5,-8097.5 4889.5,-7846.5 ; 5571,-8782 5600,-8811 5629,-8811 ; 5571,-8753 5629,-8811 ; 5571,-8724 5658,-8811 ; 5571,-8695 5687,-8811 ; 5571,-6998 5687,-6882 ; 5571,-6969 5658,-6882 ; 5571,-6940 5629,-6882 ; 5571,-6911 5600,-6882 5629,-6882 ; 5571,-6882 5571,-7027 ; 5571.3,-8457.42 5572.89,-8459 ; 5574,-8811 5571,-8811 5571,-8666 ; 5600,-8666 5716,-8782 ; 5600,-7027 5716,-6911 ; 5628,-8641 5628,-8723 ; 5629,-8666 5716,-8753 ; 5629,-7027 5716,-6940 ; 5658,-8666 5716,-8724 ; 5658,-7027 5716,-6969 ; 5677,-6882 5716,-6882 ; 5687,-8666 5716,-8695 5716,-8724 ; 5687,-7027 5716,-6998 5716,-6969 ; 5716,-8772 5716,-8811 ; 5716,-8666 5571,-8666 ; 5716,-7024 5716,-7027 5571,-7027 ; 4063,-8811 4208,-8666 ; 4063,-8811 4063,-8782 ; 4063,-8811 4092,-8811 ; 4063,-8811 5716,-8811 ; 4063,-8811 4063,-6882 ; 4063,-8811 5716,-6882 ; 4063,-8782 4063,-8753 ; 4063,-8753 4063,-8724 ; 4063,-6969 4063,-6940 ; 4063,-6940 4063,-6911 ; 4063,-6911 4063,-6882 ; 4063,-6882 4092,-6882 ; 4063,-6882 4208,-7027 ; 4063,-6882 5716,-6882 ; 4063,-6882 5716,-6882 ; 4063,-6882 5716,-8811 ; 4092,-8811 4121,-8811 ; 4092,-6882 4121,-6882 ; 4121,-8811 4150,-8811 ; 4121,-6882 4150,-6882 ; 4151,-8723 5628,-8723 ; 4151,-8723 4151,-6970 ; 4151,-8723 5628,-8723 ; 4151,-6970 5628,-6970 ; 5571,-8666 5716,-8811 ; 5571,-7027 5716,-6882 ; 5628,-8723 5628,-6970 ; 5629,-8811 5658,-8811 ; 5629,-6882 5658,-6882 ; 5658,-8811 5687,-8811 ; 5658,-6882 5687,-6882 ; 5687,-8811 5716,-8811 ; 5687,-6882 5716,-6882 ; 5716,-8811 5716,-8782 ; 5716,-8811 5716,-6882 ; 5716,-8782 5716,-8753 ; 5716,-8753 5716,-8724 ; 5716,-6969 5716,-6940 ; 5716,-6940 5716,-6911 ; 5716,-6911 5716,-6882
  text "NOGO" at 4113,-6928 h40 r315
  text "PLEXIBORDER" at 4738,-6943 h40
  text "NOGO" at 5620,-6973 h40 r45
  text "SCREW" at 4071,-7066 h40
  text "SCREW" at 4070,-7268 h40
  text "SCREW" at 4071,-7466 h40
  text "SCREW" at 4069,-7666 h40
  text "SCREW" at 4070,-7838.58 h40
  text "PLEXIBORDER" at 5702,-8016 h40 r90
  text "PLEXIBORDER" at 4137,-8030 h40 r90
  text "SCREW" at 4073,-8065 h40
  text "SCREW" at 4072,-8265 h40
  text "SCREW" at 4069,-8467 h40
  text "SCREW" at 4071,-8643 h40
  text "NOGO" at 5596,-8713 h40 r315
  text "PLEXIBORDER" at 4707,-8784 h40
  text "NOGO" at 4109,-8786 h40 r45